# Altium PCB PIC32MZ_cam.PcbDoc (part 3 of 4) (continued)
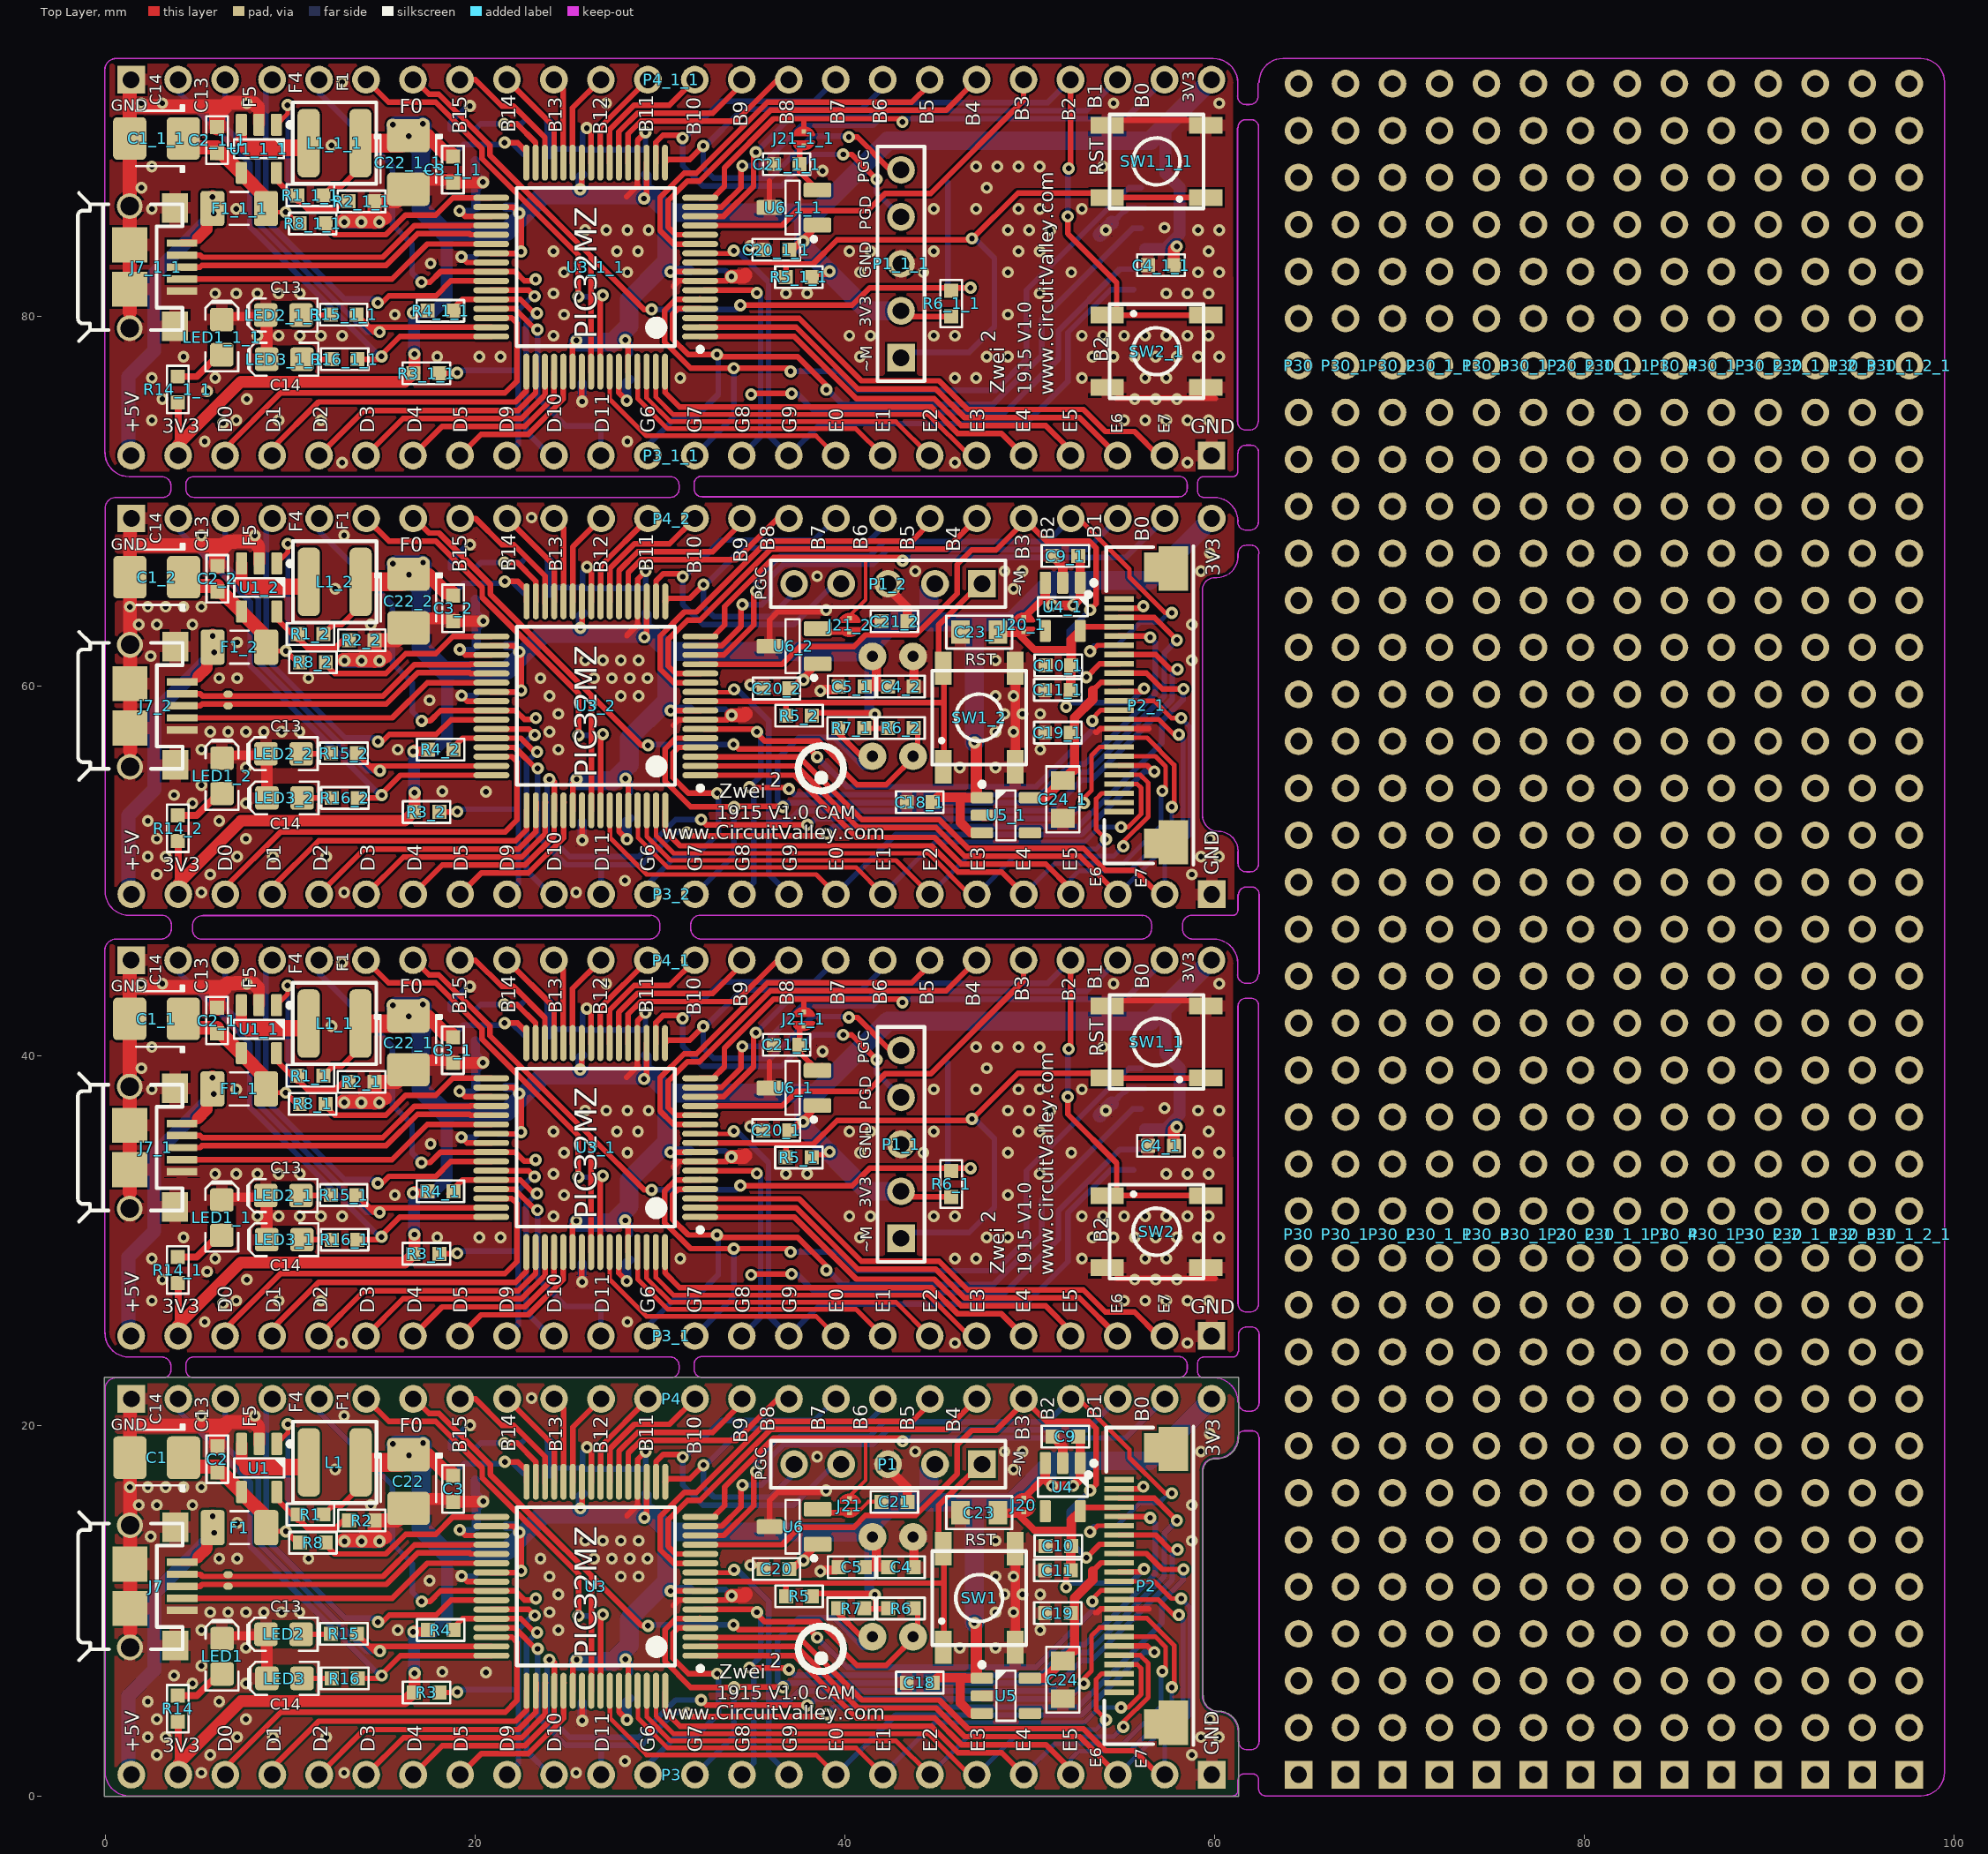
[diagram p0: Top Layer view]
## Nets (pads, with @x,y where several pads share a name; then routed paths per layer and width w, separated by ;. In a path a pad name is that pad's centre, name@x,y a point inside that pad or via, vN(x,y) a via of type N, cw(c..) or ccw(c..) an arc to the next point about the centre after c; other vN are vias at no path point) (continued)
46.877,36.576 v2@46.89,36.589 ; 36.921,82.84 38.292,82.84 39.588,84.135 46.877,84.135 46.877,84.186 v2@46.89,84.199 ; 38.379,58.557 v2@41.554,58.557 ; v2@41.554,58.557 v2(41.631,58.481) 41.656,58.456 41.656,57.719
  Top Layer w0.381: 3.926,27.737 3.951,27.711 3.951,25.451 3.951,24.867 ; 3.926,29.134 4.955,29.134 6.288,30.467 ; 3.926,75.347 3.951,75.321 3.951,73.061 3.951,72.476 ; 3.926,76.744 4.955,76.744 6.288,78.077 ; 3.937,51.623 3.962,51.598 3.962,49.337 3.962,48.753 ; 3.937,53.02 4.966,53.02 6.299,54.354 ; 36.997,35.992 37.163,35.992 v2@37.791,36.62 ; 36.997,83.602 37.163,83.602 v2@37.791,84.23 ; 37.008,59.878 37.174,59.878 v2@37.802,60.506 ; v2(37.759,36.449) 37.759,36.562 38.525,37.328 ; v2(37.759,84.059) 37.759,84.172 38.525,84.938 ; v2(37.77,60.335) 37.77,60.448 38.536,61.214 ; 38.702,37.201 38.84,37.338 ; 38.702,84.811 38.84,84.948 ; 38.713,61.087 38.851,61.224 ; 49.452,63.692 49.767,63.692 49.812,63.736 ; 49.484,62.745 50.243,61.986 52.197,61.986 52.248,61.935 ; 49.685,63.711 50.688,64.714
  Top Layer w0.406: 4.16,36.354 4.745,36.354 5.018,36.627 ; 4.16,83.963 4.745,83.963 5.018,84.237 ; 4.171,60.24 4.756,60.24 5.029,60.513
  Top Layer w0.508: 6.288,32.372 8.371,32.372 8.739,32.741 ; 6.288,79.982 8.371,79.982 8.739,80.35 ; 6.299,56.259 8.382,56.259 8.75,56.627 ; v2@16.728,32.715 16.601,32.588 v2(16.651,32.588) 17.337,32.588 17.439,32.69 ; v2@16.728,80.325 16.601,80.198 v2(16.651,80.198) 17.337,80.198 17.439,80.3 ; v2@16.739,56.601 16.612,56.474 v2(16.662,56.474) 17.348,56.474 17.45,56.576 ; v2(38.684,59.751) 38.753,59.82 39.515,59.82 39.675,59.98 ; 41.072,59.98 41.707,59.98 ; 41.496,61.613 41.707,61.402 41.707,59.98 ; 42.342,59.98 41.707,59.98 ; 42.393,65.263 43.383,64.272 43.383,63.51 ; 43.696,61.613 43.739,61.57 43.739,59.98 ; 44.755,53.731 45.019,53.995 46.482,53.995 ; 46.99,53.97 46.355,53.97 46.253,53.868 46.253,52.639 46.822,52.07 47.417,52.07 ; 48.235,62.901 49.328,62.901 49.424,62.901 49.452,62.93 ; 49.219,55.636 49.219,60.97 ; 50.017,53.97 50.836,53.97 52.299,55.433 ; 50.841,65.598 50.841,64.74 v2(51.206,64.374) v2(52.349,64.374) 52.741,64.765 52.741,65.598 52.741,66.929 52.629,67.041 ; 51.232,67.041 51.791,66.482 51.791,65.598 ; 52.222,59.802 52.222,61.097 52.248,61.123 52.248,61.935 52.248,62.505 52.741,62.998 ; 52.426,55.458 52.426,58.303 53.416,59.294 53.416,59.776
  Top Layer w0.635: 3.951,25.451 7.342,28.842 16.207,28.842 16.677,29.312 16.728,29.362 v2(16.728,30.353) ; 3.951,73.061 7.342,76.452 16.207,76.452 16.677,76.921 16.728,76.972 v2(16.728,77.963) ; 3.962,49.337 7.353,52.728 16.218,52.728 16.688,53.198 16.739,53.249 v2(16.739,54.239) ; 5.018,36.627 5.501,37.109 5.501,37.924 v2@5.803,38.227 ; 5.018,84.237 5.501,84.719 5.501,85.534 v2@5.803,85.837 ; 5.029,60.513 5.512,60.996 5.512,61.811 v2@5.814,62.113 ; 7.37,42.753 7.37,41.819 7.685,41.504 ; 7.37,90.363 7.37,89.428 7.685,89.113 ; 7.381,66.639 7.381,65.705 7.696,65.39 ; 8.244,43.713 8.32,43.637 8.32,42.753 ; 8.244,91.323 8.32,91.247 8.32,90.363 ; 8.255,67.6 8.331,67.523 8.331,66.639 ; 8.739,30.074 8.739,32.741 ; 8.739,77.683 8.739,80.35 ; 8.75,53.96 8.75,56.627 ; 16.423,39.241 16.958,39.776 18.76,39.776 ; 16.423,86.851 16.958,87.386 18.76,87.386 ; 16.434,63.127 16.969,63.663 18.771,63.663 ; 18.81,39.624 20.411,39.624 v2(20.436,39.649) ; 18.81,87.234 20.411,87.234 v2(20.436,87.259) ; 18.821,63.51 20.422,63.51 v2(20.447,63.536) ; v2(47.015,56.957) 47.117,56.855 47.117,53.995 ; 57.799,35.154 57.799,36.017 v2(57.952,36.17) ; 57.799,82.763 57.799,83.627 v2(57.952,83.779)
  Top Layer w0.762: 1.335,32.616 1.335,39.216 1.333,39.218 1.333,42.012 1.333,43.739 ; 1.335,80.225 1.335,86.825 1.333,86.828 1.333,89.621 1.333,91.349 ; 1.346,56.502 1.346,63.102 1.344,63.104 1.344,65.898 1.344,67.625 ; 1.411,45.187 1.333,45.108 1.333,43.739 ; 1.411,92.796 1.333,92.718 1.333,91.349 ; 1.422,69.073 1.344,68.994 1.344,67.625 ; 4.716,41.529 6.06,41.529 ; 4.716,89.139 6.06,89.139 ; 4.727,65.415 6.071,65.415 ; v2(5.806,38.837) 5.806,38.024 v2(5.882,37.948) ; v2(5.806,86.446) 5.806,85.634 v2(5.882,85.557) ; v2(5.817,62.723) 5.817,61.91 v2(5.893,61.834) ; 6.06,41.224 6.288,41.224 7.36,40.153 7.37,40.153 7.37,40.117 8.727,38.76 8.727,38.252 ; 6.06,88.834 6.288,88.834 7.36,87.763 7.37,87.763 7.37,87.727 8.727,86.37 8.727,85.862 ; 6.071,65.11 6.299,65.11 7.371,64.039 7.381,64.039 7.381,64.003 8.738,62.647 8.738,62.139 ; 8.244,43.713 8.015,43.942 7.026,43.942 7.013,43.929 6.631,43.929 6.441,43.739 1.333,43.739 ; 8.244,91.323 8.015,91.552 7.026,91.552 7.013,91.538 6.631,91.538 6.441,91.349 1.333,91.349 ; 8.255,67.6 8.026,67.828 7.037,67.828 7.023,67.815 6.642,67.815 6.452,67.625 1.344,67.625 ; v2@12.867,37.541 v2@13.984,37.541 ; v2@12.867,85.151 v2@13.984,85.151 ; v2@12.878,61.427 v2@13.995,61.427 ; v2@13.73,37.516 v2@14.848,37.516 ; v2@13.73,85.126 v2@14.848,85.126 ; v2@13.741,61.402 v2@14.859,61.402 ; v2@14.01,37.719 15.127,37.719 ; v2@14.01,85.329 15.127,85.329 ; v2@14.021,61.605 15.138,61.605 ; v2@14.569,37.49 14.569,38.608 15.79,38.608 16.423,39.241 ; v2@14.569,85.1 14.569,86.218 15.79,86.218 16.423,86.851 ; v2@14.58,61.377 14.58,62.494 15.801,62.494 16.434,63.127 ; v2(16.423,42.141) 17.462,42.141 18.429,41.173 18.76,41.173 ; v2(16.423,89.751) 17.462,89.751 18.429,88.783 18.76,88.783 ; v2(16.434,66.027) 17.473,66.027 18.44,65.06 18.771,65.06 ; v2(33.873,34.544) 34.541,34.544 34.626,34.629 ; v2(33.873,82.154) 34.541,82.154 34.626,82.239 ; v2(33.884,58.43) 34.552,58.43 34.637,58.515
  Top Layer w0.889: 6.06,42.621 6.06,43.357 6.441,43.739 ; 6.06,90.231 6.06,90.967 6.441,91.349 ; 6.071,66.507 6.071,67.243 6.452,67.625 ; 7.685,41.504 10.756,41.504 11.01,41.758 ; 7.685,89.113 10.756,89.113 11.01,89.367 ; 7.696,65.39 10.767,65.39 11.021,65.644
  Top Layer w1.016: 13.81,41.758 16.04,41.758 v2(16.423,42.141) ; 13.81,89.367 16.04,89.367 v2(16.423,89.751) ; 13.821,65.644 16.051,65.644 v2(16.434,66.027)
  Bottom Layer w0.254: v2(9.768,38.024) 9.87,38.125 v2(9.87,43.815) ; v2(9.768,85.634) 9.87,85.735 v2(9.87,91.425) ; v2(9.779,61.91) 9.881,62.012 v2(9.881,67.701) ; 42.062,48.753 44.882,51.572 52.959,51.572 53.772,52.385 v2(54.94,52.385) ; 44.602,48.753 47.041,51.191 53.594,51.191 v2(54.127,51.725) ; 47.142,48.753 49.2,50.81 54.534,50.81 v2(55.067,51.344) ; 49.682,48.753 51.359,50.429 55.067,50.429 57.099,52.461 57.099,54.265 v2(57.175,54.341) ; 52.222,48.753 52.222,49.591 52.654,50.023 55.423,50.023 57.683,52.283 v2(57.683,53.477) ; v2(53.264,61.885) 53.162,61.885 53.467,62.189 54.712,62.189 55.969,63.447 56.985,63.447 57.506,63.967 v2(57.683,63.967) ; 54.762,48.753 58.293,52.283 58.293,57.16 v2(58.064,57.389) ; 57.302,48.753 57.302,50.607 58.674,51.979 58.674,57.795 v2(58.191,58.278)
  Bottom Layer w0.305: 3.951,45.187 3.951,44.552 7.838,40.665 7.838,37.234 14.846,30.226 v2(14.95,30.226) ; 3.951,92.796 3.951,92.161 7.838,88.275 7.838,84.844 14.846,77.836 v2(14.95,77.836) ; 3.962,69.073 3.962,68.438 7.849,64.552 7.849,61.121 14.857,54.112 v2(14.961,54.112) ; 6.491,45.187 6.491,42.644 8.269,40.866 8.269,37.413 14.136,31.547 v2(14.848,31.547) ; 6.491,92.796 6.491,90.254 8.269,88.476 8.269,85.023 14.136,79.157 v2(14.848,79.157) ; 6.502,69.073 6.502,66.531 8.28,64.753 8.28,61.299 14.147,55.433 v2(14.859,55.433) ; 9.031,45.187 8.701,44.856 8.701,37.592 12.968,33.325 14.823,33.325 14.746,33.249 v2(14.746,33.122) ; 9.031,92.796 8.701,92.466 8.701,85.202 12.968,80.935 14.823,80.935 14.746,80.858 v2(14.746,80.731) ; 9.042,69.073 8.712,68.743 8.712,61.478 12.979,57.211 14.834,57.211 14.757,57.135 v2(14.757,57.008) ; 11.571,45.187 11.571,44.475 15.534,40.513 15.534,37.363 16.601,36.297 16.601,34.747 v2(17.109,34.239) ; 11.571,92.796 11.571,92.085 15.534,88.123 15.534,84.973 16.601,83.906 16.601,82.357 v2(17.109,81.849) ; 11.582,69.073 11.582,68.362 15.545,64.399 15.545,61.25 16.612,60.183 16.612,58.633 v2(17.12,58.125) ; 18.669,40.956 19.395,41.681 21.503,41.681 v2(21.604,41.783) 21.985,41.783 22.62,41.148 ; 18.669,42.506 18.669,42.861 19.572,43.764 v2(19.725,43.764) ; 18.669,88.565 19.395,89.291 21.503,89.291 v2(21.604,89.393) 21.985,89.393 22.62,88.758 ; 18.669,90.116 18.669,90.47 19.572,91.374 v2(19.725,91.374) ; 18.68,64.842 19.406,65.568 21.514,65.568 v2(21.615,65.669) 21.996,65.669 22.631,65.034 ; 18.68,66.392 18.68,66.747 19.583,67.65 v2(19.736,67.65) ; v2(19.039,29.337) 19.166,29.464 22.341,29.464 ; v2(19.039,76.947) 19.166,77.074 22.341,77.074 ; v2(19.05,53.223) 19.177,53.35 22.352,53.35 ; v2(19.166,38.1) 19.903,38.1 20.106,38.303 ; v2(19.166,85.71) 19.903,85.71 20.106,85.913 ; v2(19.177,61.986) 19.914,61.986 20.117,62.189 ; v2(19.268,35.611) 20.004,35.611 20.131,35.738 ; v2(19.268,83.221) 20.004,83.221 20.131,83.348 ; v2(19.279,59.497) 20.015,59.497 20.142,59.624 ; 20.019,42.506 20.312,42.799 v2(21.579,42.799) 22.493,42.799 22.595,42.901 ; 20.019,90.116 20.312,90.409 v2(21.579,90.409) 22.493,90.409 22.595,90.51 ; 20.03,66.392 20.323,66.685 v2(21.59,66.685) 22.504,66.685 22.606,66.787 ; 21.274,35.789 22.493,35.789 v2(22.493,35.89) ; 21.274,83.398 22.493,83.398 v2(22.493,83.5) ; 21.285,59.675 22.504,59.675 v2(22.504,59.776) ; 21.503,38.303 21.681,38.303 ; 21.503,85.913 21.681,85.913 ; 21.514,62.189 21.692,62.189 ; 21.731,24.867 22.341,25.476 22.341,32.715 23.103,33.477 v2(23.23,33.477) ; 21.731,72.476 22.341,73.086 22.341,80.325 23.103,81.087 v2(23.23,81.087) ; 21.742,48.753 22.352,49.362 22.352,56.601 23.114,57.363 v2(23.241,57.363) ; v2(23.357,32.563) 22.773,31.979 22.773,26.162 24.068,24.867 24.271,24.867 ; v2(23.357,80.173) 22.773,79.588 22.773,73.772 24.068,72.476 24.271,72.476 ; v2(23.368,56.449) 22.784,55.865 22.784,50.048 24.079,48.753 24.282,48.753 ; v2(23.382,31.674) 23.382,27.991 24.912,26.461 26.761,26.461 26.811,26.411 26.811,24.867 ; v2(23.382,79.284) 23.382,75.601 24.912,74.071 26.761,74.071 26.811,74.02 26.811,72.476 ; v2(23.393,55.56) 23.393,51.877 24.923,50.348 26.772,50.348 ; 24.017,41.148 24.322,41.453 25.821,41.453 ; 24.017,88.758 24.322,89.063 25.821,89.063 ; v2(24.028,54.976) 23.901,54.849 23.901,52.004 25.126,50.779 28.849,50.779 30.861,52.791 v2(32.233,52.791) ; 24.028,65.034 24.333,65.339 25.832,65.339 ; v2(25.592,33.452) 26.888,33.452 26.913,33.477 v2(26.913,33.528) ; v2(25.592,81.062) 26.888,81.062 26.913,81.087 v2(26.913,81.138) ; v2(25.603,57.338) 26.899,57.338 26.924,57.363 v2(26.924,57.414) ; 25.795,28.778 25.846,28.829 ; 25.795,76.388 25.846,76.439 ; 25.806,52.664 25.857,52.715 ; v2(26.049,42.57) 25.821,42.342 25.821,41.453 ; v2(26.049,90.18) 25.821,89.952 25.821,89.063 ; v2(26.06,66.457) 25.832,66.228 25.832,65.339 ; 26.822,48.753 26.822,50.297 26.772,50.348 ; v2(29.224,42.342) 29.224,41.402 25.872,41.402 25.821,41.453 ; v2(29.224,89.952) 29.224,89.012 25.872,89.012 25.821,89.063 ; v2(29.235,66.228) 29.235,65.288 25.883,65.288 25.832,65.339 ; 29.351,24.867 29.351,25.425 30.875,26.949 31.942,26.949 33.161,28.169 33.161,30.251 v2(33.085,30.328) ; 29.351,72.476 29.351,73.035 30.875,74.559 31.942,74.559 33.161,75.778 33.161,77.861 v2(33.085,77.937) ; 29.362,48.753 29.362,49.312 30.886,50.836 31.953,50.836 33.172,52.055 33.172,54.138 v2(33.096,54.214) ; v2(29.362,56.805) 29.413,56.855 v2(33.985,56.855) ; v2(29.555,32.766) 34.127,32.766 v2(34.355,32.995) ; v2(29.555,80.376) 34.127,80.376 v2(34.355,80.604) ; v2(31.231,42.037) 31.231,40.538 32.323,39.446 36.59,39.446 38.292,41.148 v2(39.918,41.148) ; v2(31.231,89.647) 31.231,88.148 32.323,87.056 36.59,87.056 38.292,88.758 v2(39.918,88.758) ; v2(31.242,65.923) 31.242,64.425 32.334,63.332 37.236,63.332 39.167,65.263 39.853,65.263 ; v2@31.396,42.1 33.314,44.018 38.343,44.018 39.511,45.187 ; v2@31.396,89.71 33.314,91.628 38.343,91.628 39.511,92.796 ; v2@31.407,65.987 33.325,67.904 38.354,67.904 39.522,69.073 ; v2(31.471,52.08) 31.445,52.106 30.786,52.106 29.028,50.348 26.772,50.348 ; 31.891,24.867 34,26.975 v2(34,29.591) ; 31.891,72.476 34,74.585 v2(34,77.201) ; 31.902,48.753 34.011,50.861 v2(34.011,53.477) ; v2(32.349,41.605) v2@32.349,41.478 ; v2(32.349,89.215) v2@32.349,89.088 ; v2(32.36,65.491) v2@32.36,65.364 ; 33.034,34.874 33.542,34.874 v2(33.873,34.544) ; 33.034,82.484 33.542,82.484 v2(33.873,82.154) ; 33.045,58.76 33.553,58.76 v2(33.884,58.43) ; v2(34,35.941) 34.177,35.941 35.879,34.239 35.879,25.959 36.971,24.867 38.699,26.594 49.773,26.594 52.059,28.88 52.059,31.52 54.38,33.841 55.628,33.841 ; v2(34,83.551) 34.177,83.551 35.879,81.849 35.879,73.569 36.971,72.476 38.699,74.204 49.773,74.204 52.059,76.49 52.059,79.13 54.38,81.451 55.628,81.451 ; v2(34.011,59.827) 34.188,59.827 35.89,58.125 35.89,49.845 36.982,48.753 ; 34.431,24.867 35.447,25.883 35.447,28.169 ; 34.431,72.476 35.447,73.492 35.447,75.778 ; 34.442,48.753 35.077,49.388 v2@35.077,54.544 ; v2(34.457,40.529) 35.489,40.529 37.683,42.723 41.518,42.723 42.305,43.51 53.075,43.51 54.751,45.187 ; v2(34.457,88.139) 35.489,88.139 37.683,90.333 41.518,90.333 42.305,91.12 53.075,91.12 54.751,92.796 ; v2(34.468,64.416) 35.5,64.416 35.992,64.907 35.992,65.898 36.703,66.609 41.529,66.609 42.316,67.396 53.086,67.396 54.762,69.073 ; v2(34.849,54.544) 35.458,55.154 35.458,57.363 35.281,57.541 v2(35.255,57.541) ; v2(34.939,28.169) 35.447,28.169 ; v2(34.939,75.778) 35.447,75.778 ; v2(35.193,41.266) 37.082,43.155 41.339,43.155 42.127,43.942 50.967,43.942 52.211,45.187 ; v2(35.193,88.876) 37.082,90.764 41.339,90.764 42.127,91.552 50.967,91.552 52.211,92.796 ; v2(35.204,65.152) 35.204,65.721 36.524,67.041 41.35,67.041 42.138,67.828 50.978,67.828 52.222,69.073 ; v2(35.244,33.655) 35.27,33.655 35.447,33.477 35.447,28.169 ; v2(35.244,81.265) 35.27,81.265 35.447,81.087 35.447,75.778 ; 35.89,52.715 36.957,52.715 37.516,53.274 51.156,53.274 52.807,54.925 53.339,54.925 57.709,59.295 57.709,60.64 v2(57.988,60.919) ; v2(36.982,54.442) 37.287,54.138 50.57,54.138 52.221,55.789 52.981,55.789 56.794,59.602 56.794,62.367 v2(56.515,62.647) ; v2(37.073,29.413) 39.638,29.413 40.654,28.397 48.172,28.397 49.824,30.049 49.824,33.807 55.358,39.341 56.028,39.341 ; v2(37.073,77.023) 39.638,77.023 40.654,76.007 48.172,76.007 49.824,77.659 49.824,81.417 55.358,86.951 56.028,86.951 ; v2(37.124,28.219) 37.403,28.219 38.419,27.203 48.655,27.203 51.551,30.099 51.551,31.623 54.869,34.941 56.028,34.941 ; v2(37.124,75.829) 37.403,75.829 38.419,74.813 48.655,74.813 51.551,77.709 51.551,79.233 54.869,82.551 56.028,82.551 ; 37.49,65.517 37.49,65.263 35.992,63.764 32.918,63.764 32.36,64.323 v2@32.36,65.364 ; v2(37.973,52.512) 38.075,52.512 38.405,52.842 52.095,52.842 v2(52.934,53.68) ; v2(38.506,56.17) 40.107,54.569 50.341,54.569 53.391,57.619 v2(53.391,58.125) ; v2(39.003,28.423) 39.08,28.423 39.867,27.635 48.02,27.635 50.662,30.277 50.662,32.233 55.571,37.141 56.028,37.141 ; v2(39.003,76.032) 39.08,76.032 39.867,75.245 48.02,75.245 50.662,77.887 50.662,79.842 55.571,84.751 56.028,84.751 ; v2(39.014,52.029) 39.395,52.41 52.612,52.41 57.15,56.949 57.15,58.125 58.293,59.268 58.293,59.827 v2(58.318,59.853) ; 39.522,48.753 42.748,51.979 52.791,51.979 56.194,55.382 v2(56.744,55.382) ; v2(40.223,42.088) 40.248,42.113 40.248,42.139 38.241,42.139 35.981,39.878 32.907,39.878 32.349,40.437 v2@32.349,41.478 ; v2(40.223,89.698) 40.248,89.723 40.248,89.748 38.241,89.748 35.981,87.488 32.907,87.488 32.349,88.047 v2@32.349,89.088 ; 41.318,55.629 41.003,55.629 39.395,57.236 37.541,57.236 36.373,56.068 36.373,53.807 36.551,53.63 36.627,53.706 50.749,53.706 52.4,55.357 53.16,55.357 57.277,59.474 57.277,61.808 v2(57.963,62.494) ; v2(41.721,39.802) 41.721,39.091 43.042,37.77 ; v2(41.721,87.412) 41.721,86.7 43.042,85.38 ; 42.051,45.187 42.051,44.729 40.908,43.586 34.457,43.586 v2@32.349,41.478 ; 42.051,92.796 42.051,92.339 40.908,91.196 34.457,91.196 v2@32.349,89.088 ; 42.062,69.073 42.062,68.616 40.919,67.473 34.468,67.473 v2@32.36,65.364 ; 43.042,30.15 43.347,30.455 46.725,30.455 48.097,31.826 48.097,35.535 47.03,36.601 v2(46.877,36.601) ; 43.042,77.76 43.347,78.064 46.725,78.064 48.097,79.436 48.097,83.144 47.03,84.211 v2(46.877,84.211) ; v2(43.118,42.901) 43.296,43.078 55.183,43.078 57.291,45.187 ; v2(43.118,90.51) 43.296,90.688 55.183,90.688 57.291,92.796 ; v2(43.129,66.787) 43.307,66.965 55.194,66.965 57.302,69.073 ; 45.578,39.631 45.578,33.931 45.581,33.934 v2(46.801,33.934) ; 45.578,87.241 45.578,81.541 45.581,81.544 v2(46.801,81.544) ; 47.473,65.034 47.473,65.263 ; v2(51.968,58.887) 52.197,59.116 55.423,59.116 v2(56.185,59.878) ; v2(52.059,37.795) 52.059,40.513 52.11,40.462 v2(52.11,40.386) ; v2(52.059,85.405) 52.059,88.123 52.11,88.072 v2(52.11,87.996) ; v2(53.061,60.488) 52.146,61.402 52.146,63.002 v2(53.264,64.12) ; 54.77,37.712 54.77,37.752 55.068,38.049 55.107,38.049 55.132,38.075 55.158,38.075 55.325,38.241 56.228,38.241 ; 54.77,85.322 54.77,85.362 55.068,85.659 55.107,85.659 55.132,85.684 55.158,85.684 55.325,85.851 56.228,85.851
  Bottom Layer w0.381: v2(28.132,31.115) 28.361,30.886 28.361,30.378 ; v2(28.132,78.725) 28.361,78.496 28.361,77.988 ; v2(28.143,55.001) 28.372,54.773 28.372,54.265 ; 37.49,61.885 37.516,61.859 ; v2(37.77,60.335) 37.77,62.164
  Bottom Layer w0.508: 20.019,40.806 20.019,40.067 v2(20.436,39.649) 20.055,39.268 20.055,38.354 20.106,38.303 ; 20.019,88.416 20.019,87.676 v2(20.436,87.259) 20.055,86.878 20.055,85.964 20.106,85.913 ; 20.03,64.692 20.03,63.953 v2(20.447,63.536) 20.066,63.155 20.066,62.24 20.117,62.189 ; 21.681,38.303 22.062,38.303 v2(22.392,37.973) ; 21.681,85.913 22.062,85.913 v2(22.392,85.583) ; 21.692,62.189 22.073,62.189 v2(22.403,61.859) ; 23.992,42.901 24.017,42.875 24.017,41.148 ; 23.992,90.51 24.017,90.485 24.017,88.758 ; 24.003,66.787 24.028,66.761 24.028,65.034 ; v2(25.694,39.268) 25.694,39.929 25.821,40.056 ; v2(25.694,86.878) 25.694,87.539 25.821,87.666 ; v2(25.705,63.155) 25.705,63.815 25.832,63.942 ; v2(25.795,27.788) 25.795,28.778 ; v2(25.795,75.397) 25.795,76.388 ; v2(25.806,51.674) 25.806,52.664 ; v2(28.208,27.838) 28.208,28.829 28.361,28.981 ; v2(28.208,75.448) 28.208,76.439 28.361,76.591 ; v2(28.219,51.725) 28.219,52.715 28.372,52.868 ; 29.25,40.056 29.301,40.005 v2@29.301,38.964 ; 29.25,87.666 29.301,87.615 v2@29.301,86.573 ; 29.261,63.942 29.312,63.891 v2@29.312,62.85 ; 30.215,35.179 30.52,34.874 31.637,34.874 ; 30.215,82.789 30.52,82.484 31.637,82.484 ; 30.226,59.065 30.531,58.76 31.648,58.76 ; 41.318,61.029 41.318,58.794 v2(41.631,58.481) ; v2(51.206,64.374) 51.206,65.669 51.257,65.72 ; v2(52.349,64.374) 52.375,64.399 52.375,65.314
  Bottom Layer w0.635: v2(16.651,32.588) v2@16.702,32.588 ; v2(16.651,80.198) v2@16.702,80.198 ; v2(16.662,56.474) v2@16.713,56.474 ; v2(16.728,30.353) 16.702,30.378 v2@16.702,32.588 ; v2(16.728,77.963) 16.702,77.988 v2@16.702,80.198 ; v2(16.739,54.239) 16.713,54.265 v2@16.713,56.474 ; 18.48,36.805 18.48,33.35 17.718,32.588 v2@16.702,32.588 ; 18.48,84.414 18.48,80.96 17.718,80.198 v2@16.702,80.198 ; 18.491,60.691 18.491,57.236 17.729,56.474 v2@16.713,56.474 ; v2(25.491,31.09) v2@25.583,30.997 ; v2(25.491,78.699) v2@25.583,78.607 ; v2(25.502,54.976) v2@25.594,54.883 ; 56.228,36.041 57.316,36.041 58.104,36.83 58.104,39.37 57.342,40.132 57.342,42.24 57.114,42.469 ; 56.228,83.651 57.316,83.651 58.104,84.44 58.104,86.98 57.342,87.742 57.342,89.85 57.114,90.079
  Bottom Layer w0.762: 1.411,24.867 1.259,25.019 1.259,29.134 2.656,30.531 2.656,34.671 5.806,37.821 v2(5.806,38.837) ; 1.411,72.476 1.259,72.629 1.259,76.744 2.656,78.141 2.656,82.281 5.806,85.43 v2(5.806,86.446) ; 1.422,48.753 1.27,48.905 1.27,53.02 2.667,54.417 2.667,58.557 5.817,61.707 v2(5.817,62.723) ; v2(12.943,37.49) v2(13.857,37.49) v2(14.823,37.49) ; v2(12.943,85.1) v2(13.857,85.1) v2(14.823,85.1) ; v2(12.954,61.377) v2(13.868,61.377) v2(14.834,61.377) ; 53.787,36.795 54.44,37.448 ; 53.787,84.405 54.44,85.058
  Bottom Layer w1.016: 17.083,41.478 17.083,38.202 18.48,36.805 ; 17.083,89.088 17.083,85.811 18.48,84.414 ; 17.094,65.364 17.094,62.088 18.491,60.691 ; 18.302,36.982 21.731,36.982 23.713,38.964 v2@29.301,38.964 ; 18.302,84.592 21.731,84.592 23.713,86.573 v2@29.301,86.573 ; 18.313,60.869 21.742,60.869 23.724,62.85 v2@29.312,62.85 ; v2@25.583,30.997 27.456,30.997 28.335,31.877 28.335,33.299 30.215,35.179 ; v2@25.583,78.607 27.456,78.607 28.335,79.487 28.335,80.909 30.215,82.789 ; v2@25.594,54.883 27.467,54.883 28.346,55.763 28.346,57.186 30.226,59.065 ; v2@29.301,38.989 29.504,38.989 30.367,38.125 ; v2@29.301,86.599 29.504,86.599 30.367,85.735 ; v2@29.312,62.875 29.515,62.875 30.378,62.012 ; v2@30.367,35.027 30.367,38.125 ; v2@30.367,82.636 30.367,85.735 ; v2@30.378,58.913 30.378,62.012 ; 37.49,61.885 30.505,61.885 30.378,62.012 ; 37.516,61.859 41.072,61.859 41.021,61.808 41.3,61.808 41.496,61.613 ; 37.759,37.973 v2(37.759,36.449) 37.759,36.17 41.239,32.69 43.042,32.69 ; 37.759,85.583 v2(37.759,84.059) 37.759,83.779 41.239,80.3 43.042,80.3 ; 41.427,62.215 42.748,63.536 44.552,63.536 ; 44.882,65.542 44.552,65.212 44.552,63.485 49.022,63.485 51.257,65.72 56.49,65.72 59.842,69.073 ; v2(47.015,56.957) 47.015,62.951 ; 59.831,45.187 57.114,42.469 56.529,41.885 42.331,41.885 38.445,37.998 30.494,37.998 30.367,38.125 ; 59.831,92.796 57.114,90.079 56.529,89.494 42.331,89.494 38.445,85.608 30.494,85.608 30.367,85.735
  Bottom Layer w1.143: v2@15.758,42.644 v2@17.104,42.644 ; v2@15.758,90.253 v2@17.104,90.253 ; v2@15.769,66.53 v2@17.115,66.53 ; v2(16.423,42.141) 16.423,42.139 17.083,41.478 ; v2(16.423,89.751) 16.423,89.748 17.083,89.088 ; v2(16.434,66.027) 16.434,66.025 17.094,65.364
  other v1: 12.816,24.486 45.963,24.486 58.536,24.486 5.387,25.629 28.247,25.629 2.529,26.772 7.101,26.772 9.387,26.772 11.673,26.772 55.107,26.772 56.25,26.772 57.393,26.772 58.536,26.772 59.679,26.772 3.101,27.915 7.673,27.915 55.679,27.915 56.822,27.915 57.965,27.915 2.529,29.058 5.958,29.058 31.104,29.058 45.963,29.058 47.106,29.058 52.821,29.058 56.25,29.058 57.393,29.058 4.244,30.201 17.96,30.201 20.246,30.201 21.389,30.201 40.82,30.201 47.678,30.201 48.821,30.201 53.393,30.201 54.536,30.201 55.679,30.201 56.822,30.201 57.965,30.201 59.108,30.201 60.251,30.201 8.244,31.344 9.387,31.344 10.53,31.344 11.673,31.344 12.816,31.344 24.246,31.344 40.248,31.344 41.391,31.344 44.82,31.344 45.963,31.344 52.821,31.344 53.964,31.344 55.107,31.344 56.25,31.344 57.393,31.344 58.536,31.344 59.679,31.344 15.674,32.487 24.818,32.487 48.821,32.487 5.958,33.63 7.101,33.63 8.244,33.63 9.387,33.63 10.53,33.63 24.246,33.63 36.819,33.63 37.962,33.63 50.535,33.63 57.393,33.63 58.536,33.63 59.679,33.63 24.818,34.773 28.247,34.773 40.82,34.773 44.249,34.773 48.821,34.773 52.25,34.773 59.108,34.773 60.251,34.773 24.246,35.916 27.675,35.916 28.818,35.916 40.248,35.916 41.391,35.916 44.82,35.916 49.392,35.916 50.535,35.916 59.679,35.916 25.961,37.059 27.104,37.059 28.247,37.059 29.39,37.059 48.821,37.059 49.964,37.059 51.107,37.059 59.108,37.059 60.251,37.059 57.291,37.186 2.529,38.202 7.101,38.202 44.82,38.202 47.106,38.202 49.392,38.202 50.535,38.202 52.821,38.202 1.958,39.345 47.678,39.345 2.529,40.488 47.106,40.488 48.249,40.488 49.392,40.488 50.535,40.488 53.964,40.488 12.245,41.631 1.958,43.917 3.101,43.917 7.673,43.917 27.104,43.917 54.536,43.917 60.251,43.917 12.816,45.06 12.816,72.095 45.963,72.095 58.536,72.095 5.387,73.238 28.247,73.238 2.529,74.381 7.101,74.381 9.387,74.381 11.673,74.381 55.107,74.381 56.25,74.381 57.393,74.381 58.536,74.381 59.679,74.381 3.101,75.524 7.673,75.524 55.679,75.524 56.822,75.524 57.965,75.524 2.529,76.667 5.958,76.667 31.104,76.667 45.963,76.667 47.106,76.667 52.821,76.667 56.25,76.667 57.393,76.667 4.244,77.81 17.96,77.81 20.246,77.81 21.389,77.81 40.82,77.81 47.678,77.81 48.821,77.81 53.393,77.81 54.536,77.81 55.679,77.81 56.822,77.81 57.965,77.81 59.108,77.81 60.251,77.81 8.244,78.953 9.387,78.953 10.53,78.953 11.673,78.953 12.816,78.953 24.246,78.953 40.248,78.953 41.391,78.953 44.82,78.953 45.963,78.953 52.821,78.953 53.964,78.953 55.107,78.953 56.25,78.953 57.393,78.953 58.536,78.953 59.679,78.953 15.674,80.096 24.818,80.096 48.821,80.096 5.958,81.239 7.101,81.239 8.244,81.239 9.387,81.239 10.53,81.239 24.246,81.239 36.819,81.239 37.962,81.239 50.535,81.239 57.393,81.239 58.536,81.239 59.679,81.239 24.818,82.382 28.247,82.382 40.82,82.382 44.249,82.382 48.821,82.382 52.25,82.382 59.108,82.382 60.251,82.382 24.246,83.525 27.675,83.525 28.818,83.525 40.248,83.525 41.391,83.525 44.82,83.525 49.392,83.525 50.535,83.525 59.679,83.525 25.961,84.668 27.104,84.668 28.247,84.668 29.39,84.668 48.821,84.668 49.964,84.668 51.107,84.668 59.108,84.668 60.251,84.668 57.291,84.795 2.529,85.811 7.101,85.811 44.82,85.811 47.106,85.811 49.392,85.811 50.535,85.811 52.821,85.811 1.958,86.954 47.678,86.954 2.529,88.097 47.106,88.097 48.249,88.097 49.392,88.097 50.535,88.097 53.964,88.097 12.245,89.24 1.958,91.526 3.101,91.526 7.673,91.526 27.104,91.526 54.536,91.526 60.251,91.526 12.816,92.669
  other v2: 39.181,34.823 54.116,37.059 38.8,40.259 15.559,42.75 17.185,42.801 15.57,66.637 17.196,66.687 39.181,82.433 54.116,84.668 38.8,87.869 15.559,90.36 17.185,90.411

## Polygon pours and split planes (outlines as drawn)
no net on Bottom Layer "Top-GND" (solid, pour order 4): 0.533,69.911 60.249,69.911 60.782,69.378 60.731,69.327 60.731,66.304 60.579,66.152 60.274,66.076 59.538,65.847 59.233,65.441 59.207,64.831 59.233,63.739 59.233,53.172 59.233,52.766 59.461,52.385 60.071,52.055 60.681,51.979 61.011,51.699 61.062,51.344 61.062,48.473 60.731,48.473 60.731,48.423 60.274,47.965 54.864,47.965 1.067,47.965 0.508,48.524